# KiCad board PC110.kicad_pcb (continued)
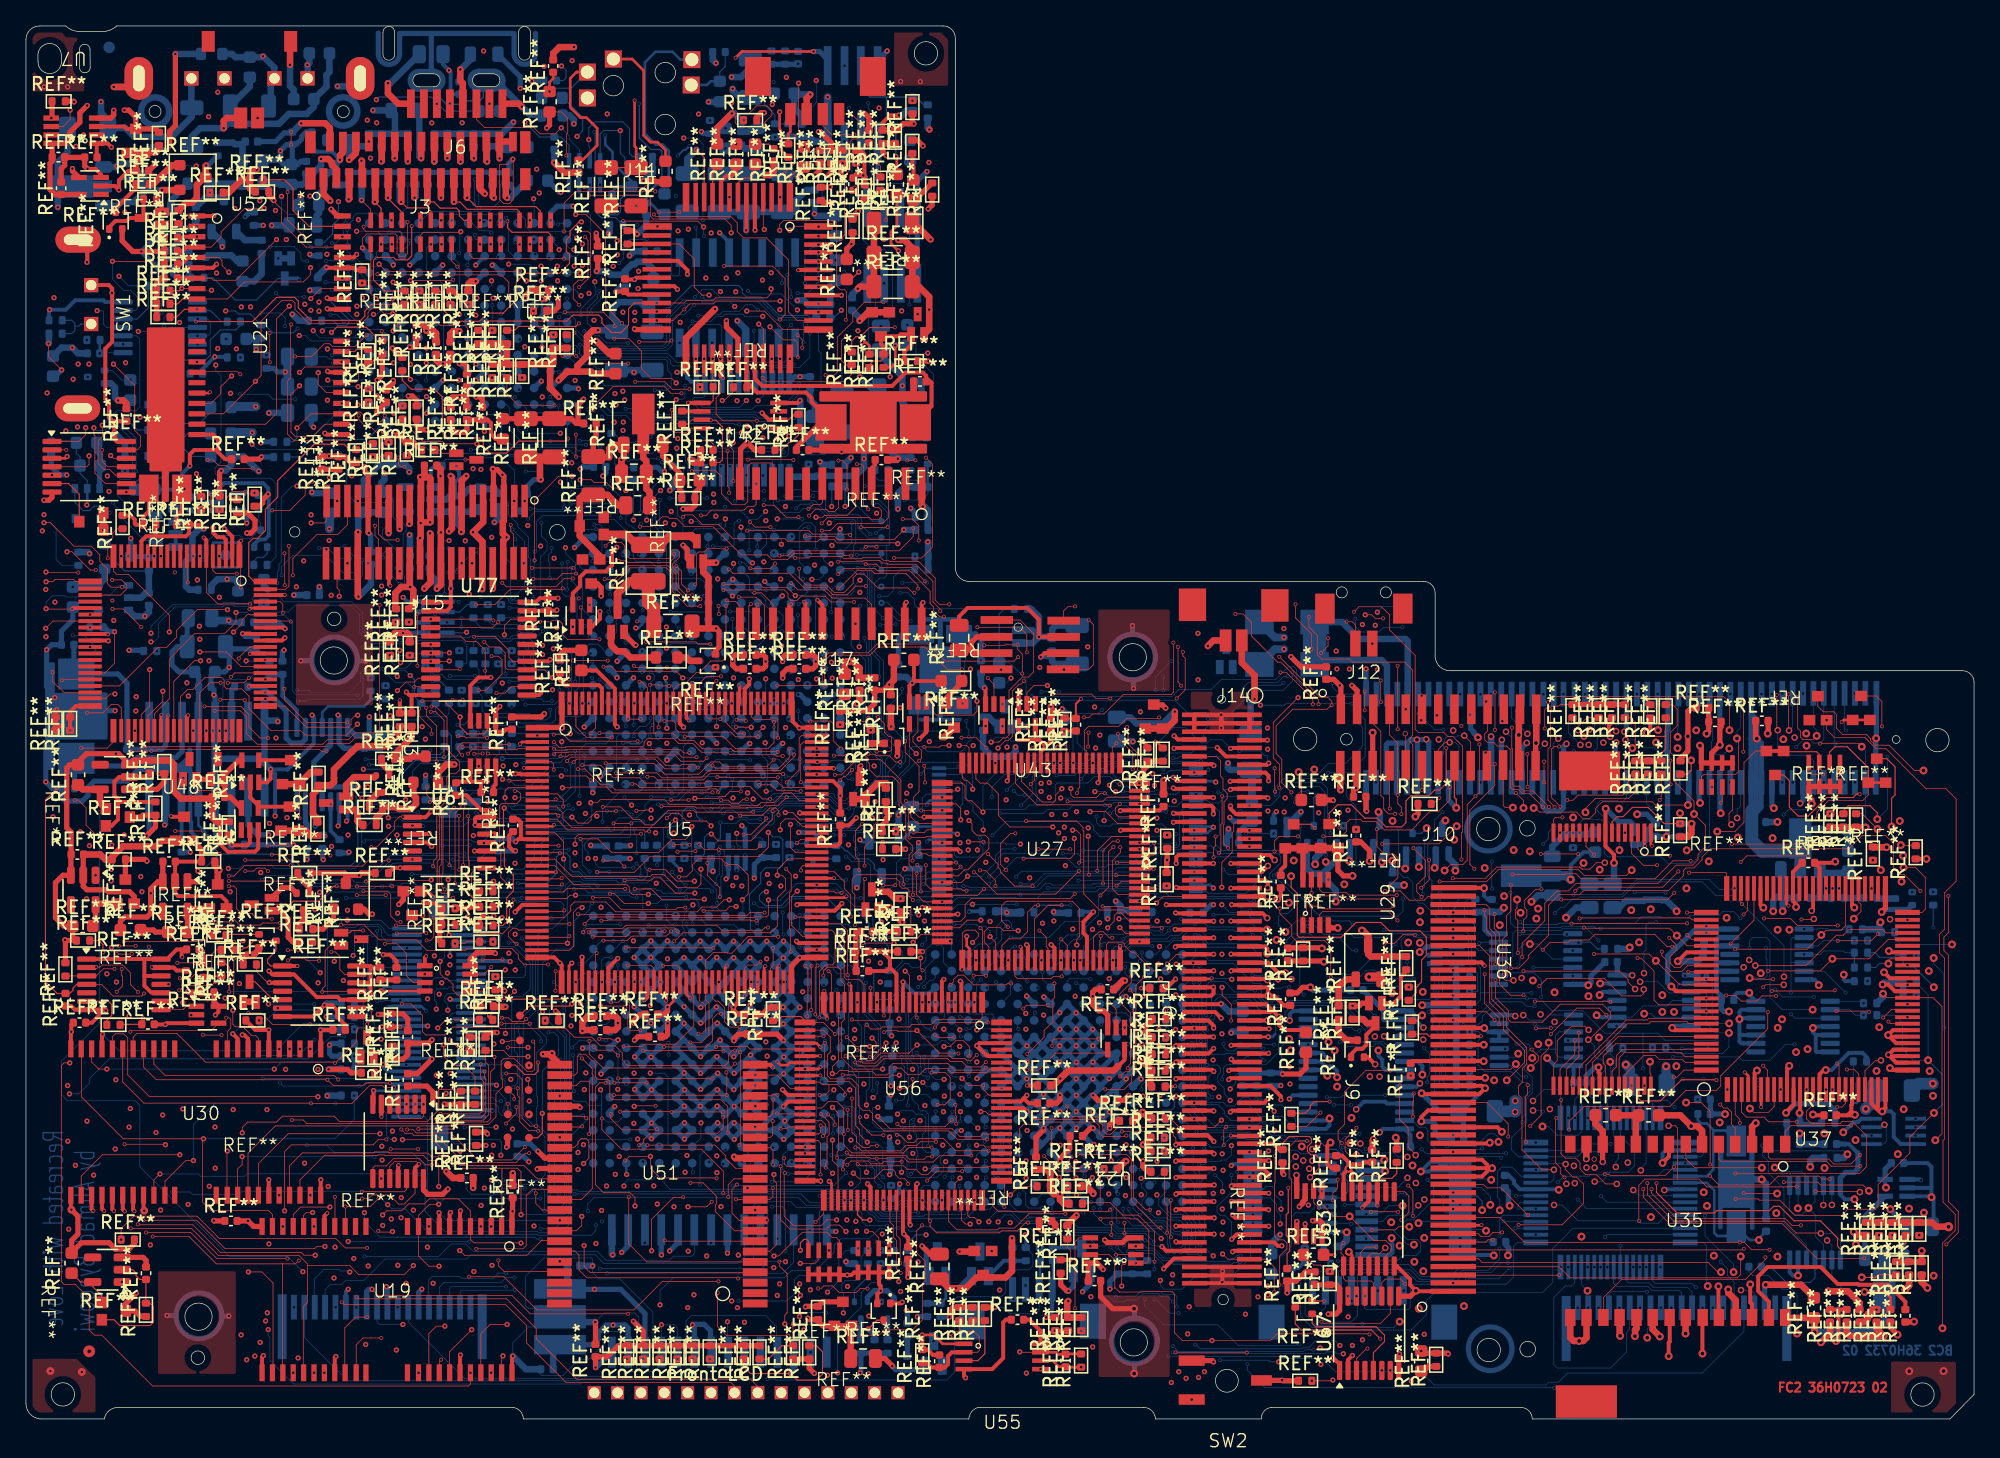
[diagram p0: board, top side]
## Routing (per net, layer and track width the routed paths; a pad name or vN(x,y) marks a point on that pad's centre or on a via; arc(x,y) is an arc through that point) (continued)
PNET2: length 336.1
  FC2 w0.05: v2(42.85,50.38) 44.27,50.38 45.24,49.41 47.25,49.41 47.66,49 52.29,49 52.44,49.15 57.83,49.15 58.31,48.67 60.91,48.67 ; v2(33.28,52.61) 33.77,52.61 33.89,52.49 v2(35.51,52.49) ; v2(26.6,44.06) 27,44.06 28.4,45.46 28.4,46.04 28.78,46.42 v2(29.04,46.42) 29.72,46.42 29.77,46.37 ; v1(34.6,45.76) 34.64,45.72
  FC2 w0.08: v3(97.45,41.83) 97.45,40.97 97.92,40.5 97.92,37.28 98.08,37.12 101.3,37.12 102.44,38.26 104.36,38.26 105.01,37.61 107.38,37.61 107.86,37.13 107.86,35.72 107.5,35.36 107.5,33.68 107.09,33.27 107.09,32.84 REF**#287.1
  FC2 w0.3: 35.43,46.91 35.09,46.91 33.94,48.06 REF**#91.1 ; 35.43,46.91 35.49,46.85 U61.14 34.7,46.37 34.6,46.27 v1(34.6,45.76) ; 35.43,46.91 v1(35.7,46.91) ; v1(31.25,44.12) 30.95,44.42 29.77,44.42 ; v1(31.21,46.81) 30.77,46.37 29.77,46.37 ; U61.10 v1(34.55,43.77) ; 34.64,45.72 U61.13
  FC2 w0.4: v4(8.5,9.7) 7.7,8.9 REF**#292.2 8.41,8.32 8.83,7.9 REF**#362.1
  FC2 w0.5: REF**#223.1 29.71,53.37 29.71,52.53 v1(29.51,52.33) 28.4,51.22 REF**#222.2 29.56,50.87 29.74,51.05 REF**#352.3
  FC1 w0.05: v2(26.6,44.06) 26.6,40.1 25.7,39.2 v1(24.76,39.2) ; v2(33.28,52.61) 32.48,53.41 31.48,53.41 31.16,53.09 30.93,53.09 30.3,52.46 30.3,47.68 v2(29.04,46.42) ; v2(42.85,50.38) 42.84,50.39 42.84,52.08 42.52,52.4 41.75,52.4 41.37,52.78 41.14,52.78 40.19,53.73 36.75,53.73 v2(35.51,52.49)
  IC1 w0.05: v4(8.5,9.7) 8.51,9.7
  IC1 w0.5: 8.51,9.7 9.08,10.27 24.09,10.27 24.58,10.76 25.81,10.76 26.19,11.14 27.94,11.14 v1(28.64,11.84)
  IC3 w0.7: v1(77.31,41.7) 73.95,41.7 72.74,42.91 71.61,42.91 69.24,45.28 66.54,45.28 64.61,43.35 62.65,43.35 62.15,43.85 48.76,43.85 47.04,45.57 40.01,45.57 39.5,46.08 37.18,46.08 36.42,45.32
  IC3 w0.8: v1(77.31,41.7) 77.4,41.79 88.99,41.79 89.04,41.74 90.54,41.74 90.63,41.83 v3(97.45,41.83) 97.5,41.83 100.38,38.95 105.32,38.95 106.55,40.18 111.34,40.18 113.46,38.06 v3(113.52,38.06) 114.04,37.54 119.73,37.54 121.39,39.2 123.64,39.2 v3(123.65,39.21) 123.65,40.9 124.06,41.31 125.07,41.31 126.37,42.61 v3(126.37,44.87)
  IC3 w1: 36.37,45.08 35.06,43.77 v1(34.55,43.77) 32.96,43.77 32.61,44.12 v1(31.25,44.12)
  IC4 w0.5: v1(28.64,11.84) 28.64,12.81 30.63,14.8 30.63,17.38 30.13,17.88 30.13,27.77 28.8,29.1 28.8,36.52 27.68,37.64 27.68,40.06 29.96,42.34 29.96,45.68 31.09,46.81 v1(31.21,46.81) 31.21,47.61 29.46,49.36 29.46,52.28 v1(29.51,52.33)
  IC4 w0.7: v1(78.09,57.91) 78.09,57.1 77.72,56.73 77.72,56.32 78.14,55.9 78.14,52.52 77.5,51.88 77.5,51.21 77.1,50.81 77.1,46.38 77.1,47.92 77.74,47.28 77.74,42.13 v1(77.31,41.7)
  BC1 w0.05: 28.46,54.46 28.46,53.58 ; 28.46,54.46 28.46,54.63 28.09,55 28.09,57.69 28.01,57.77 28.01,57.79 27.96,57.84 ; 28.46,54.46 28.46,54.44 ; 28.46,53.58 28.33,53.45 ; 28.46,53.58 27.76,52.88 27.76,51.59 28.23,51.12 v11(28.23,47.7) ; 27.96,57.84 v11(27.96,58.5) ; 27.96,57.84 27.98,57.82 ; v11(33.38,59.21) 32.04,60.55 32.04,62.96 31.68,63.33 31.23,63.33 30.68,62.77 30.68,58.92 30.35,58.59 v11(30.01,58.59) ; v1(24.76,39.2) 25.63,39.2 26.29,39.86 26.29,43.78 26.6,44.09 v11(26.6,47.7)
  BC2 w0.05: v11(30.01,58.59) 29.24,57.82 28.67,57.82 27.99,58.5 v11(27.96,58.5) ; v11(26.6,47.7) v11(28.23,47.7)
  BC2 w0.4: J8.21 126.48,53.08 126.38,52.98 126.38,51.5 126.37,51.49 126.43,51.43 J8.80 126.45,49.04 126.45,44.95 v3(126.37,44.87) ; v3(126.37,44.87) 125.6,44.87 REF**#688.1 ; v3(126.37,44.87) 127.4,44.87 REF**#754.1
PNET3: length 69.5
  FC2 w0.4: REF**#420.2 61.36,9.03 REF**#421.2 60.08,8.68 v1(60.04,8.64) ; v1(43.87,3.96) REF**#231.1 44.77,4.79 45.62,5.64 REF**#413.2 REF**#334.2 ; REF**#48.2 REF**#258.2 REF**#12.2 REF**#207.2 REF**#60.2 REF**#431.2 REF**#334.2 ; REF**#334.2 47.54,6.77 v1(46.79,7.52)
  IC2 w0.5: 26.43,26.59 29.24,26.59 29.76,27.11 29.76,37.92 30.29,38.45 30.29,38.54 v1(30.55,38.8) ; 26.43,26.59 26.05,26.21 26.05,20.13 27.12,19.06 28.98,19.06 29.81,19.89 32.82,19.89 33.42,19.29 33.42,17.24 36.31,14.35 38.56,14.35 38.93,13.98 40.92,13.98 42.27,12.63 45.17,12.63 v1(45.19,12.65) ; 26.43,26.59 26.13,26.29
  BC2 w0.4: 45.13,5.17 43.92,3.96 v1(43.87,3.96)
  BC2 w0.5: v1(45.19,12.65) 45.13,12.71 U34.1
PNET4: length 16.8
  FC2 w0.4: J15.4 36.01,73.16 36.31,73.16 v1(36.7,72.77) 36.81,72.66 J15.3 ; v1(44.3,63.42) 44.3,64.08 44,64.39 REF**#265.2
  FC2 w0.5: J15.3 36.81,69.22 36.73,69.14 36.73,68.23 v1(37.02,67.94) 36.76,67.68 J15.23 ; v1(35.96,73.21) 36.01,73.16
  BC2 w0.6: v1(96.9,59.32) 96.19,59.32 REF**#467.1 ; v1(96.9,60.22) 96.2,60.22 REF**#451.1
  vias: v1(96.89,60.91)
PNET4_anode: length 23.2
  BC2 w0.08: 99.6,58.48 REF**#467.2
  BC2 w0.5: 99.6,58.48 104.41,58.48 104.83,58.06 J8.48 ; REF**#451.2 101.37,61.41 102.67,60.11 106.25,60.11 106.43,59.93 J8.46
  BC2 w1.8: REF**#451.2 REF**#467.2
PNET5: length 495.9
  FC2 w0.08: REF**#283.1 37.04,82.85 37.02,82.87
  FC2 w0.3: REF**#215.3 97,42.66 96.65,42.31 REF**#441.2 ; v1(84.3,46.88) 84.32,46.9 U27.96 87.32,46.9 REF**#217.1 ; U42.20 47.01,87.95 v1(46.87,87.81) 46.19,87.81 REF**#264.2
  FC2 w0.4: REF**#221.2 REF**#373.2 9.19,43.12 v1(9.32,42.99) ; REF**#443.2 14.91,72.95 v1(15.04,73.08) ; REF**#215.1 98.36,43.94 U29.8 ; REF**#388.1 REF**#301.1 86.37,50.32 86.08,50.03 86.08,49.78 v1(85.9,49.6) ; v1(36.15,35.88) 36.08,35.95 34.74,35.95 34.22,35.43 REF**#318.8 ; REF**#203.14 30.62,17.64 30.95,17.31 32.1,17.31 v1(32.5,17.71) ; REF**#166.1 29.06,40.66 29.06,39.99 v1(28.72,39.65) ; REF**#290.2 87.86,43.04 v1(87.9,43.08) REF**#248.1 ; 101.05,44 101.05,42.28 101.48,41.85 v3(102.18,41.85) ; 144.05,12.1 146.02,12.1 v3(146.02,12.95)
  FC2 w0.5: REF**#384.1 REF**#340.1 40.62,81.63 40.61,81.62 40.61,81.33 40.55,81.27 ; 30.7,72.58 31.04,72.58 31.16,72.46 J15.10 31.16,69.13 v1(31.13,69.1) 30.46,69.1 v1(30.4,69.04) ; 30.7,72.58 v1(30.37,72.58) 30.43,72.52 30.43,70.76 J15.11 30.41,69.05 v1(30.4,69.04) ; 30.7,72.58 30.7,72.86 30.69,72.87 REF**#286.1 ; REF**#434.1 83.81,33.1 84.49,33.78 v1(84.65,33.78) ; v1(30.4,69.04) 30.4,67.93 v1(30.35,67.88) 30.35,65.95 J15.31 ; 37.02,82.87 REF**#108.1 REF**#370.1 ; REF**#407.2 11.82,94.7 v1(10.47,94.7) ; 40.55,81.27 REF**#191.2 REF**#189.2 ; 40.55,81.27 40.37,81.09 40.37,79.44 v1(41.04,78.77) ; U42.27 50.84,83.3 v1(53.08,85.54) ; 101.05,44 98.33,44 REF**#215.1 REF**#215.3 ; REF**#189.2 37.04,82.85 ; REF**#189.2 REF**#272.2 ; v1(33,50.44) 32.38,50.44 31.74,49.8 REF**#352.2 ; 73.05,12.95 73.01,12.9 v1(71.91,12.9)
  FC2 w0.6: 104.15,34.06 REF**#436.2
  FC2 w0.7: v3(103.45,34.06) 104.15,34.06
  IC1 w0.5: v1(45.31,76.81) 43,76.81 v1(41.04,78.77) ; v1(28.33,77.51) 28.33,77.57 27.64,78.26 26.69,78.26 26.42,77.99 26.42,77.31 24.29,75.18 22.78,75.18 20.64,73.04 v1(17.93,73.04) 17.89,73.08 v1(15.04,73.08)
  IC2 w0.5: v1(28.72,39.65) 28.25,39.65 27.77,39.17 27.77,37.23 28.55,36.45 28.55,29.05 27.74,28.24 26.91,28.24 25.4,26.73 25.4,19.51 26.94,17.97 30.38,17.97 31.17,17.18 31.97,17.18 v1(32.5,17.71)
  IC3 w0.4: 27.06,37.79 27.69,38.42 ; 27.06,37.79 15.99,37.79 13.72,40.06 12.25,40.06 v1(9.32,42.99) ; 27.06,37.79 27.72,37.79 ; 27.69,38.42 27.69,39.36 27.98,39.65 v1(28.72,39.65) ; 27.69,38.42 27.69,38.41 28.31,37.79 ; 27.69,38.42 27.69,37.82 27.72,37.79 ; 28.31,37.79 27.72,37.79 ; 28.31,37.79 28.45,37.79 29.67,36.57 34.39,36.57 35.08,35.88 v1(36.15,35.88)
  IC3 w0.5: v1(71.91,12.9) 71.93,12.92 84.34,12.92 85.04,12.22 89.03,12.22 90.47,10.78 90.47,8.24 91.37,7.34 95.71,7.34 98.37,10 98.37,11.71 100.26,13.6 103.6,13.6 v3(105.16,15.16)
  IC3 w0.6: v1(75.54,39.03) 75.54,39.08 74.14,40.48 71.03,40.48 70.26,41.25 65.24,41.25 64.68,41.81 62.69,41.81 61.84,42.66 55.64,42.66 v1(54.7,41.72)
  IC3 w0.7: 98.96,29.09 v5(100.34,27.71) 100.73,27.32 102.57,27.32 102.75,27.14 102.77,27.14 v5(103.52,26.39) ; 98.96,29.09 98.96,29.66 ; 98.96,29.09 98.96,29.77 98.03,30.7 v5(97.34,30.7)
  IC4 w0.05: 104.61,30.71 104.63,30.73 ; v1(53.08,85.54) 53.05,85.54 ; 14.95,59.76 14.94,59.77
  IC4 w0.4: v3(146.02,12.95) 145.42,13.55 144.79,13.55 142.38,15.96 140.7,15.96 138.14,18.52 138.14,18.69 137.43,19.4 v3(137.43,19.42)
  IC4 w0.5: 30.37,69.29 30.94,69.29 v1(31.13,69.1) ; 30.37,69.29 30.37,69.07 v1(30.4,69.04) ; 30.37,69.29 v1(30.37,72.58) 30.3,72.65 30.3,75.54 v1(28.33,77.51) ; v1(55.14,45.72) 55.14,46.09 ; v5(104.61,29.49) 104.61,30.71 ; 14.95,57.44 14.95,59.76 ; v1(30.35,67.88) 30.35,66.04 28.29,63.98 28.29,61.97 v1(27.71,61.39)
  IC4 w0.6: 54.65,42.42 54.7,42.37 v1(54.7,41.72) ; 15.24,57.15 14.95,57.44
  IC4 w0.7: 53.49,47.14 53.49,44.71 54.65,43.55 54.65,42.42 ; 53.49,47.14 53.49,50.04 53.48,50.05 53.48,50.79 54.22,51.53 54.22,55.58 53.21,56.59 53.21,59.07 52.15,60.13 52.15,78.1 52.52,78.47 52.52,82 ; 53.49,47.14 53.51,47.12 54.77,47.12 55.14,46.75 55.14,46.09 ; v3(111.84,52.52) 111.86,52.5 111.86,51.05 110.95,50.14 109.22,50.14 105.99,46.91 105.99,45.48 105.23,44.72 105.23,43.76 105.24,43.75 v3(105.24,43.01) ; 52.52,82 52.01,82.51 52.01,84.5 53.05,85.54 ; 52.52,82 52.52,81.7 ; 103.45,31.82 103.54,31.82 104.63,30.73 ; 103.45,31.82 103.45,30.16 103.02,29.73 103.02,27.11 103.01,27.1 103.01,26.9 v5(103.52,26.39) ; 103.45,31.82 v3(103.45,34.06)
  IC4 w0.8: 15.24,57.15 15.23,57.14 15.23,55.21 15.01,54.99 15.01,46.61 14.03,45.63 14.03,40.7 13.79,40.46 11.85,40.46 v1(9.32,42.99) ; v3(104.63,19.96) 105.36,19.96 105.58,19.74 105.58,18.12 105.16,17.7 v3(105.16,15.16) ; 14.95,59.76 14.35,60.36 14.35,62.49 14.06,62.78 14.06,60.65 14.06,66.35 12.62,67.79 12.62,69.31 15.04,71.73 v1(15.04,73.08) 13.36,74.76 13.36,88.52 10.47,91.41 v1(10.47,94.7)
  IC4 w0.9: 85.78,38.88 85.78,40.01 ; 85.78,38.88 85.78,34.91 v1(84.65,33.78) ; 85.78,38.88 84.76,39.9 v1(83.94,39.9) ; 85.78,40.01 85.78,40.95 ; 85.78,40.01 85.67,39.9 v1(83.94,39.9) ; 85.78,40.95 84.73,39.9 v1(83.94,39.9) ; 85.78,40.95 85.78,46.23 85.13,46.88 v1(84.3,46.88)
  IC4 w1: v1(85.9,49.6) 85.9,50.51 86.16,50.77 87.46,50.77 87.86,50.37 88.92,50.37 90.03,49.26 90.03,47.93 89.82,47.72 88.55,47.72 v1(88.45,47.62)
  BC2 w0.08: F1.2 142.46,24.65 ; 105.27,42.98 v3(105.24,43.01)
  BC2 w0.3: 104.57,19.9 v3(104.63,19.96) 104.45,19.79 U14.24 ; REF**#853.30 97.6,31.45 97.34,31.19 v5(97.34,30.7) ; 106.96,30.8 107.6,30.16 v5(107.64,30.16) ; 106.96,30.8 REF**#853.2 ; 106.96,30.8 106.96,31.13 106.64,31.45 REF**#853.1 ; 119.2,25.93 119.2,25.93 U54.14 117.75,27.23 v3(117.17,27.81) ; v5(100.34,27.71) 99.85,28.2 REF**#853.25 ; REF**#807.5 55.4,45.46 v1(55.14,45.72)
  BC2 w0.4: REF**#758.1 104.59,31.45 ; 104.59,31.45 104.59,30.84 104.64,30.79 104.65,30.8 REF**#853.2 ; 104.59,31.45 REF**#853.1 ; 112.25,39.07 112.38,38.94 112.38,37.69 112.68,37.39 U28.14 ; v3(111.84,52.52) 111.53,52.83 111.53,52.93 111.28,53.18 J8.40
  BC2 w0.5: REF**#500.1 123.41,36.22 v3(123.53,36.34) ; REF**#594.2 8.96,94.98 9.24,94.7 ; REF**#533.2 105.27,42.98 ; REF**#766.3 7.02,93.48 7.33,93.79 8.33,93.79 9.24,94.7 ; v1(15.04,73.08) 15.38,73.08 15.81,73.51 REF**#592.1 16.78,74.18 17.92,73.04 v1(17.93,73.04) ; REF**#485.1 111.67,39.07 REF**#596.1 113.51,39.07 v3(113.84,39.4) ; REF**#679.2 59.25,95.94 v1(59.46,95.73) ; v1(98.19,46.79) 97.5,46.1 REF**#671.1 REF**#790.1 ; REF**#812.2 85.11,39.08 84.98,39.21 REF**#455.1 ; v1(10.47,94.7) 9.24,94.7 ; v3(137.43,19.42) 137.43,19.91 137.64,20.12 REF**#716.2 ; v3(115.96,39.86) 116.46,40.36 Q1.3 ; 84.31,39.34 84.31,39.53 v1(83.94,39.9)
  BC2 w0.6: REF**#673.1 75.45,39.12 v1(75.54,39.03) 75.56,39.01 76.59,39.01 REF**#610.2
  BC2 w0.9: v3(141.72,23.89) 141.72,23.91 142.27,24.46 ; 142.46,24.65 142.27,24.46 ; 142.27,24.46 142.27,25.16 142.44,25.33
  vias: v5(104.26,26.38)
PNET5_F1: length 31
  IC1 w0.8: v3(135.31,39.13) 135.72,38.72
  IC1 w0.9: v3(146.89,24.9) 146.88,24.91 v3(146.88,25.84) 147.67,25.84 147.87,26.04 147.87,29.34 145.75,31.46 141.44,31.46 136.98,35.92 136.98,37.84 136.22,38.6 135.84,38.6 135.72,38.72
  BC2 w0.08: 145.75,25.8 145.75,25.84
  BC2 w0.5: 135.17,40.23 134.84,40.23 134.58,39.97 v3(134.58,39.13) ; 135.17,40.23 REF**#488.3 ; 135.17,40.23 135.25,40.15 135.71,40.15 ; REF**#800.2 135.71,40.15 ; 135.71,40.15 135.31,39.75 v3(135.31,39.13)
  BC2 w0.9: v3(146.88,25.84) 145.75,25.84 ; F1.1 145.75,25.8
PNET5_Q1: length 22.8
  IC2 w0.7: v3(123.23,27.3) 123.23,29.08 122.35,29.96 122.35,33.83 119.5,36.68 119.5,39.53 118.98,40.05 v3(118.98,41.57)
  BC2 w0.3: v3(118.98,41.57) 118.98,42.68 119.98,43.69 REF**#553.2
  BC2 w0.7: v3(118.98,41.57) 118.69,41.86 Q1.2 ; F2.2 123.58,26.95 v3(123.23,27.3)
PNET5_Q1_F2: length 215.7
  FC2 w0.4: REF**#335.3 REF**#335.4 129.05,51.79 v3(128.94,51.89) ; REF**#335.3 REF**#335.1 ; REF**#335.3 129.85,51.32 v3(130.47,51.94) 130.47,53.25 130.57,53.35 REF**#385.2
  IC1 w0.6: v3(128.94,51.89) 130.42,51.89 v3(130.47,51.94)
  IC1 w0.7: v1(75.53,43.09) 79.25,43.09 79.65,43.49 86.29,43.49 86.66,43.86 110.98,43.86 112.36,42.48 v3(112.36,42.46) 119.25,42.46 120.31,41.4 124.34,41.4 125.47,42.53 129.18,42.53 v3(129.62,42.97)
  IC2 w0.8: v1(44.77,100.57) 42.27,100.57 40.79,102.05 38.55,102.05 v1(38.07,102.53)
  IC3 w1: v1(75.5,47.71) 75.46,47.67 71.12,47.67 70.83,47.38 67.44,47.38 66.23,48.59 64.83,48.59 63.2,46.96 61.61,46.96 59.16,49.41 47.69,49.41 46.54,50.56 43.55,50.56 42.6,49.61 v1(42.6,47.44)
  IC4 w0.7: v3(129.62,42.97) 127.57,42.97 125.51,40.91 123.5,40.91 122.44,39.85 122.44,30.99 123.73,29.7 124.59,29.7 126.33,27.96 v3(126.33,27.17)
  IC4 w0.8: v3(129.62,42.97) 129.42,43.17 129.42,45.96 129.74,46.28 129.74,50.8 129.76,50.82 129.76,51.07 v3(128.94,51.89)
  IC4 w1: v1(42.6,47.44) 42.6,49.4 43.99,50.79 43.99,60.2 43.07,61.12 43.07,65.06 43.95,65.94 43.95,70.76 47.92,74.73 47.92,83.74 48.74,84.56 48.74,91.29 43.74,96.29 43.74,97.34 44.77,98.37 v1(44.77,100.57) ; v1(75.5,47.71) 75.53,47.68 v1(75.53,43.09)
  BC2 w0.05: J8.16 130.47,55.85
  BC2 w0.08: REF**#744.1 36.35,105.16
  BC2 w0.4: v3(130.47,51.94) 130.47,55.85 ; 36.35,105.16 38.07,103.44 v1(38.07,102.53)
  BC2 w0.7: v3(126.33,27.17) 126.33,25.8 F2.1
PNET6: length 18.3
  FC2 w0.4: REF**#344.1 69.8,93.55 v1(69.5,93.25) ; REF**#224.2 67.08,99.32 67.57,99.81 v1(68.39,99.81) 68.28,99.92 REF**#361.1
  FC2 w0.5: v1(64.07,87.1) 64.23,87.26 REF**#435.1 REF**#165.1 65.32,92.17 REF**#442.1
  BC2 w0.05: v1(64.07,87.1) 64.08,87.1
  BC2 w0.4: 64.09,87.1 v1(64.07,87.1) 64.49,87.52 U44.8
  BC2 w0.5: v1(64.07,87.1) 63.63,86.66 REF**#805.2 ; REF**#534.1 58.74,98.82 REF**#734.1 60.35,98.82 60.73,98.44 U45.8
  BC2 w0.6: v1(61.75,101.87) U45.8
PNET7: length 467.4
  FC2 w0.05: v1(39.38,19.25) 39.43,19.3
  FC2 w0.3: REF**#185.5 69.35,52.93 68.82,52.4 v1(68.8,52.4)
  FC2 w0.4: 24.73,41.89 24.64,41.8 REF**#232.3 ; 24.73,41.89 v1(25.66,41.89) 25.84,42.07 REF**#445.1 ; 24.73,41.89 24.55,42.07 REF**#260.2 ; 39.43,19.3 U51.35 ; REF**#51.1 REF**#29.1 REF**#52.1 141.66,45.62 v3(141.7,45.58) ; REF**#252.1 58.63,57.81 58.29,57.47 v1(58.29,57.1) ; v3(137.55,47.42) 137.55,47.71 137.54,47.71 137.32,47.93 137.32,47.94 REF**#144.5 REF**#144.6 REF**#144.7 REF**#144.8 ; REF**#127.1 66.23,46.77 v1(66.48,46.52) 66.26,46.3 66.26,46.06 65.97,45.77 REF**#315.1
  FC2 w0.5: v1(64.01,55.12) 64.2,55.31 REF**#364.1 ; v1(39.82,28.11) 40.31,28.11 U51.25 40.53,27.89 v1(40.53,28.19)
  IC1 w0.5: v1(91.46,45.6) 92.49,45.6 v1(92.62,45.47) 92.79,45.64 92.86,45.64 ; 64.56,52.53 64.04,52.01 58.34,52.01 v1(58.29,52.06) 58.17,52.06 57.56,51.45 50.04,51.45 v1(49.38,50.79) ; 64.56,52.53 68.67,52.53 v1(68.8,52.4) 68.8,51.98 69.76,51.02 84.08,51.02 v1(85.26,52.2) ; 64.56,52.53 64.56,54.57 v1(64.01,55.12) ; 60.3,25.93 59.95,25.93 59.88,26 49.73,26 48.52,27.21 40.13,27.21 39.88,27.46 39.88,28.05 v1(39.82,28.11) 40.45,28.11 v1(40.53,28.19) 40.68,28.19 41.66,29.17 44.08,29.17 44.82,28.43 45.15,28.43 45.23,28.51 48.48,28.51 49.78,27.21 50.01,27.21 50.07,27.27 59.13,27.27 59.69,27.83 v1(62.18,27.83) 61.04,26.69 61.04,26.67 60.3,25.93
  IC1 w0.7: v3(105.26,46.09) 104.81,45.64 92.86,45.64 ; v1(58.14,41.07) 58.14,40.59 58.02,40.47 58.02,38.76
  IC1 w0.9: 90.79,22.25 90.82,22.22 92.67,22.22
  IC1 w1: v1(25.66,41.89) 25.67,41.9 ; 25.67,41.9 25.73,41.9 ; 25.67,41.9 25.98,41.9 27.11,40.77 33.86,40.77 34.19,40.44 39.04,40.44 41.2,38.28 52.26,38.28 ; 52.26,38.28 52.29,38.28 53.43,39.42 ; 52.26,38.28 53.43,38.28 ; 53.43,39.42 53.43,38.28 ; 53.43,39.42 53.17,39.68 53.17,40.64 52.9,40.91 52.9,42.2 v1(52.91,42.21) ; 53.43,39.42 53.43,39.3 54.45,38.28 ; v3(117.74,32.88) 117.71,32.91 v3(107.59,32.91) ; 54.45,38.28 53.43,38.28 ; 54.45,38.28 55.25,38.28 ; v1(56.1,41.67) 56.1,39.18 ; 56.1,39.18 56.1,39.13 55.25,38.28 ; 56.1,39.18 56.1,38.33 56.15,38.28 ; 56.1,39.18 57,38.28 57.11,38.28 ; v1(73.24,27.51) 69.44,27.51 69.12,27.83 v1(62.18,27.83) ; 57.11,38.28 56.15,38.28 ; 57.11,38.28 57.54,38.28 58.02,38.76 ; 56.15,38.28 55.25,38.28 ; v3(141.7,45.58) 140.88,46.4 138.3,46.4 138.19,46.51 138.11,46.51 137.55,47.07 v3(137.55,47.42) ; v3(138.51,22) 137.62,21.11 134.5,21.11 ; v1(79.66,21.09) 80.96,21.09 81.78,20.27 82.59,20.27 84.89,22.57 86.48,22.57 86.78,22.27 90.77,22.27 90.79,22.25 ; 92.73,22.18 96.13,22.18 v1(96.16,22.21) 102.74,22.21 103.58,23.05 106.02,23.05 107.21,21.86 v3(107.37,21.86) 107.63,21.6 110.34,21.6 111.48,20.46 112.31,20.46 112.38,20.39 115.44,20.39 116.33,21.28 116.91,21.28 117.08,21.11 133.08,21.11
  IC2 w0.5: v1(62.18,27.83) 63.2,28.85 63.2,31.07 v1(65.8,33.67)
  IC4 w0.5: v1(67.3,18.11) 67.96,17.45 68.06,17.45 70.33,15.18 70.39,15.18 ; v1(68.8,52.4) 68.32,52.4 67.84,51.92 67.84,49.47 67.03,48.66 67.03,47.47 66.48,46.92 v1(66.48,46.52) ; v1(63.16,12.12) 68.69,12.12 v1(68.71,12.1)
  IC4 w0.7: 71.52,14.05 70.39,14.05 ; 71.52,14.05 70.39,12.92 70.39,12.66 ; 71.52,14.05 70.39,15.18 ; 71.52,14.05 73.04,14.05 76.38,10.71 83.21,10.71 83.49,10.43 v1(83.49,10.01)
  IC4 w1: 75.38,20.06 75.38,22.04 ; 75.38,20.06 75.38,18.42 73.2,16.24 71.45,16.24 70.39,15.18 70.39,12.66 69.83,12.1 v1(68.71,12.1) ; 75.38,20.06 75.38,20.14 76.33,21.09 ; 75.38,22.04 75.38,26.87 74.74,27.51 v1(73.24,27.51) ; 75.38,22.04 76.33,21.09 ; v1(25.66,41.89) 25.88,42.11 v1(25.88,47.85) ; v3(117.74,32.88) 117.74,37.75 v3(118.62,38.63) ; v1(79.66,21.09) 76.33,21.09 ; v1(96.16,22.21) 95.64,22.21 94.83,23.02 94.83,27.54 94.64,27.73 94.64,27.12 94.64,32.35 94.13,32.86 94.13,33.98 94.2,34.05 94.2,43.09 92.62,44.67 v1(92.62,45.47) ; v3(107.37,21.86) 108.27,21.86 109.1,22.69 109.1,32.17 108.36,32.91 v3(107.59,32.91) ; v3(138.51,22) 138.51,22.95 140.08,24.52 140.08,25.63 140.07,25.64 140.07,38 139.83,38.24 139.83,41.09 141.7,42.96 v3(141.7,45.58) ; v1(58.29,57.1) 57.68,56.49 57.68,55.26 57.58,55.16 57.62,55.12 57.62,52.73 v1(58.29,52.06) 58.29,47.89 56.17,45.77 56.17,45.44 56.05,45.32 56.05,41.72 v1(56.1,41.67) 56.1,39.49 57.47,38.12 59.52,38.12 61.09,36.55 61.09,28.92 v1(62.18,27.83)
  BC2 w0.2: U6.30 91.41,45.65 v1(91.46,45.6) 91.01,45.15 U6.31
  BC2 w0.3: v3(140.02,34.24) 140.02,33.87 140.15,33.74 REF**#664.2 ; REF**#522.1 66.82,16.98 67.24,17.4 67.24,18.05 v1(67.3,18.11)
  BC2 w0.4: v1(58.29,52.06) 58.25,52.06 57.64,51.45 ; v1(56.1,41.67) 56.1,42.72 56.64,43.26 REF**#855.1 REF**#552.1 ; REF**#684.1 REF**#753.1 REF**#513.1 83.49,10.61 v1(83.49,10.01) ; REF**#850.1 38.32,20.24 v1(38.74,19.82)
  BC2 w0.5: REF**#617.1 119.39,39.41 v3(118.62,38.63) ; v1(52.91,42.21) 52.76,42.36 REF**#599.1 ; REF**#760.1 63.32,11.96 v1(63.16,12.12) ; v1(92.62,45.47) 92.62,44.93 92.46,44.77 REF**#765.2 ; v1(49.38,50.79) 49.38,50.81 50.02,51.45 ; v1(85.26,52.2) 85.22,52.24 84.04,52.24 REF**#856.1
PNET8: length 17.9
  FC2 w0.3: U55.8 78.15,6.38 v1(78.14,6.39) 78.14,6.79 77.28,7.65 REF**#367.2
  FC2 w0.4: REF**#11.1 79.7,10.34 80.18,9.86 v1(80.31,9.86)
  FC2 w0.5: 74.41,10.9 75.45,10.9 75.95,11.4 v1(75.95,13.93) ; 74.41,10.9 73.21,10.9 72.38,10.07 v1(71.63,10.07) 71.09,10.07 REF**#229.1 ; 74.41,10.9 73.92,10.9 REF**#328.2
  BC2 w0.08: 75.98,13.9 v1(75.95,13.93)
  BC2 w0.4: REF**#835.2 75.98,13.9 ; v1(80.31,9.86) 80.67,10.22 REF**#821.1
  BC2 w0.5: v1(71.63,10.07) 71.9,10.07 REF**#471.1
PNET9: length 28.2
  FC2 w0.3: J16.104 91.46,33.26 v1(91.47,33.27) 91.47,32.79 91.29,32.61 J16.105 ; REF**#184.2 87.84,33.19 v1(88.55,33.9)
  FC2 w0.5: REF**#213.2 84.68,19.87 v1(84.75,19.87) ; REF**#417.1 86.13,21.14 v1(86.04,21.14) 86.16,21.14 REF**#188.1 ; REF**#333.2 85.33,22.97 v1(86.01,23.65) 86.02,23.65 86.51,23.16 REF**#139.1 ; v1(82.21,17.34) 82.21,17.4 81.69,17.92 REF**#300.2
  IC2 w0.5: v1(86.01,23.65) 86.63,24.27 86.63,25.45 v1(85.88,26.2)
  IC4 w0.5: v1(84.75,19.87) 84.73,19.87 84.18,19.32 84.18,19.13 84.06,19.01 84.06,18.7 84.07,18.69 84.07,18.04 84.04,18.01 82.82,18.01 82.62,17.81 82.62,17.75 v1(82.21,17.34) ; v1(97.36,25.81) 97.31,25.76 v1(97.31,24.66)
  IC4 w0.7: v1(96.65,25.69) 96.77,25.81 v1(97.36,25.81) ; v1(86.04,21.14) 86.02,21.14 v1(84.75,19.87)
  BC2 w0.3: REF**#853.20 97.6,24.95 v1(97.31,24.66)
  BC2 w0.4: REF**#682.2 REF**#453.1 94.82,25.64 REF**#838.2 96.29,25.64 96.34,25.69 v1(96.65,25.69) ; U25.E10 82.14,21.14 v1(82.26,21.14)
  BC2 w0.5: v1(85.88,26.2) 85.82,26.2 85.27,25.65
PNET10: length 58.6
  FC2 w0.08: v3(99.97,35.24) 99.92,35.29 ; REF**#3.1 86.75,30.77
  FC2 w0.3: REF**#147.1 96.89,31.87 96.14,32.62 v3(95.68,32.62) ; v3(95.68,32.62) 95.67,32.61 J16.35 ; v3(95.68,32.62) 95.68,33.18 95.6,33.26 J16.34
  FC2 w0.4: 99.92,35.29 REF**#135.1 97.23,35.29 REF**#158.1 ; v1(84.93,24.93) 84.55,24.55 REF**#208.1 ; v1(96.88,18.84) 96.79,18.93 REF**#410.1
  FC2 w0.5: REF**#220.1 86.14,27.49 v1(86,27.49) 86.08,27.49 REF**#145.1 86.73,26.65 86.62,26.54 86.62,25.71 REF**#193.1 ; 86.75,30.77 v1(86.01,30.03) 86.01,30.02 86.63,29.4 REF**#409.1
  IC1 w0.8: v3(97.42,28.41) 97.42,27.23 v1(97.33,27.14)
  IC1 w1: v1(77.08,32.58) 77.08,33.63 77.18,33.73 82.2,33.73 83.37,32.56 v1(84.73,32.56)
  IC3 w0.5: v5(107.37,25.86) 106.38,25.86 105.27,24.75
  IC3 w0.7: 105.27,24.75 105.21,24.69 101.84,24.69 101.83,24.68 101.44,24.68 101.18,24.42 99.8,24.42 98.45,25.77 98.45,26.91 98.22,27.14 v1(97.33,27.14)
  IC4 w0.05: 98.33,27.14 98.65,27.46 ; v1(96.88,18.84) 96.89,18.85
  IC4 w0.5: v1(84.93,24.93) 84.12,25.74 84.12,27.06 84.55,27.49 v1(86,27.49)
  IC4 w0.7: v1(97.33,27.14) 98.33,27.14
  IC4 w1: 97.42,28.39 97.72,28.39 98.65,27.46 98.65,22.82 96.89,21.06 96.89,18.85
  BC2 w0.3: v5(107.37,25.86) 107.11,25.6 REF**#853.10
  BC2 w0.4: v1(84.73,32.56) 84.56,32.56 84,32 ; v1(77.08,32.58) 77.08,32.57 77.65,32
PNET11: length 4.8
  FC2 w0.4: REF**#293.2 127.44,50.89 128.01,51.46 v5(128.01,52.61) 128.01,54.53 128.28,54.8 REF**#296.1
  vias: v5(120.37,51.95)
PNET12: length 59.1
  FC2 w0.05: 136.14,40.85 136.15,40.86
  FC2 w0.08: 137.7,23.4 v3(137.64,23.46)
  FC2 w0.3: v3(121.68,47.03) 121.66,47.01 121.66,44.14 122.32,43.48 v3(122.32,42.85) ; v3(136.34,39.45) 136.34,39.68 136.1,39.92 U37.65 136.1,42.15 REF**#159.1 ; REF**#169.1 137.7,23.4 ; v3(133.33,26.85) 133.15,26.67 U37.5 ; v3(126.74,33.32) 127.1,32.96 129.43,32.96 ; 144.93,32.96 143.96,32.96 143.44,33.48 v3(143.01,33.48) ; U37.56 140.65,39.59 v3(140.83,39.41) ; U37.15 138.15,26.56 138.48,26.89 v3(138.63,26.89)
  FC2 w0.5: v3(143.31,44.06) 142.28,44.06 REF**#243.2
  IC3 w0.5: v5(143.58,38.51) 143.94,38.87 143.94,40.42 143.69,40.67 143.69,42.69 143.31,43.07 v3(143.31,44.06)
  BC2 w0.05: 143.17,17.83 v3(143.27,17.83)
  BC2 w0.08: 114.71,23.67 v5(114.7,23.66)
  BC2 w0.3: REF**#652.1 141.77,27.9 141.46,28.21 140.4,28.21 139.08,26.89 v3(138.63,26.89) ; v3(143.27,17.83) 143.2,17.9 REF**#793.5 ; U40.14 132.74,32.7 v3(132.74,32.84) 131.8,32.84 131.56,32.6 131.56,32.28
  BC2 w0.4: REF**#793.5 143.2,19.25 143.68,19.72 ; 144.64,12.43 144.64,14.49 144.96,14.81 144.96,14.81 v3(143.6,16.17) ; U39.14 129.38,37.75 129.24,37.62 128.47,37.62 127.14,36.29 127.06,36.29 126.45,35.68 126.45,33.61 v3(126.74,33.32) ; v3(121.68,47.03) 122.68,46.03 123.56,46.03 123.85,45.74 REF**#587.2
  BC2 w0.5: v3(143.01,33.48) 143.14,33.61 REF**#566.2 REF**#828.2 ; v5(114.7,23.66) 114.65,23.71 ; REF**#617.2 120.44,41.22 REF**#571.2 122.32,41.33 v3(122.32,42.85)
  BC2 w0.9: 114.65,23.71 F3.1 ; v5(114.71,24.51) 114.71,23.67
PNET12_F3: length 17.8
  FC2 w0.3: v3(107.5,25.1) 107.57,25.03 111.93,25.03 v3(112.39,25.49) 112.3,25.49 112.11,25.68 109.93,25.68
  FC1 w0.05: v2(106.66,26.44) 106.66,25.94 v3(107.5,25.1)
  BC2 w0.3: F3.2 110.61,23.71 v3(112.39,25.49)
  BC2 w0.4: 110.75,21.66 110.72,21.69 110.72,23.33 F3.2 108.89,23.71 v3(107.5,25.1)
PWRGD: length 234.5
  FC2 w0.05: v2(45.05,23.5) 45.05,23.14 45.91,22.28 48.55,22.28 v2(48.61,22.34) ; v2(33.43,57.81) 33.36,57.74 U77.9 ; v1(84.4,10.24) 84.4,11.81 v2(84.6,12.01) ; v2(35.86,58.78) 36.4,58.78 36.67,58.51 36.67,57.4 35.42,56.15 v2(34.88,56.15) ; v2(32.62,42.67) 32.62,46.75 v2(32.98,47.11) ; v2(47.32,29.95) 46.53,29.95 46.36,30.12 46.36,31.18 46.48,31.3 46.48,32.08 46.36,32.19 U5.47 ; v2(77.18,15.13) 77,15.13 76.37,14.5 75.14,14.5 74.98,14.34 70.13,14.34 69.63,14.84 69.63,14.88 69.64,14.89 v2(69.64,15.25) 69.55,15.34 U56.67 ; REF**#161.2 64.55,39.37 64.55,41.55 v2(64.61,41.61) ; U27.56 74.67,36.76 v1(74.26,37.17) ; v2(36.99,22.77) 37.78,23.56 v2(37.78,24.02)
  FC1 w0.05: v2(35.86,58.78) 35.85,58.77 34.39,58.77 v2(33.43,57.81) ; v2(34.88,56.15) v2(34.88,50.3) 34.88,48.35 34.75,48.22 34.78,48.25 ; 34.78,48.25 34.83,48.3 ; 34.78,48.25 33.64,47.11 v2(32.98,47.11) ; v1(67.7,42.4) 65.46,42.4 64.67,41.61 v2(64.61,41.61) ; v2(69.64,15.25) 68.82,15.25 68.25,15.82 68.25,18.2 v1(67.44,19.01) ; v2(37.78,24.02) 37.78,23.85 38.6,23.03 41.13,23.03 41.6,23.5 v2(45.05,23.5) ; v2(47.32,29.95) 47.32,29.36 48.6,28.08 48.6,25.21 48.2,24.81 48.2,23.4 48.61,22.99 v2(48.61,22.34) 48.61,18.72 48.36,18.47 v1(48.36,17.96) ; v2(36.99,22.77) 36.99,23 36.84,23.15 35.11,23.15 34.37,23.89 34.37,29.86 34.48,29.97 34.48,31.86 34.99,32.37 34.99,34.24 34.48,34.75 34.48,37.76 34.84,38.12 34.84,39.22 34.5,39.56 34.5,42.43 34,42.93 33.14,42.93 32.88,42.67 v2(32.62,42.67) ; v2(77.18,15.13) 79.46,15.13 79.89,14.7 84.75,14.7 85.48,13.97 v2(85.48,13.31) 85.48,12.89 v2(84.6,12.01)